# KiCad board Marble_Tiny.kicad_pcb (continued)
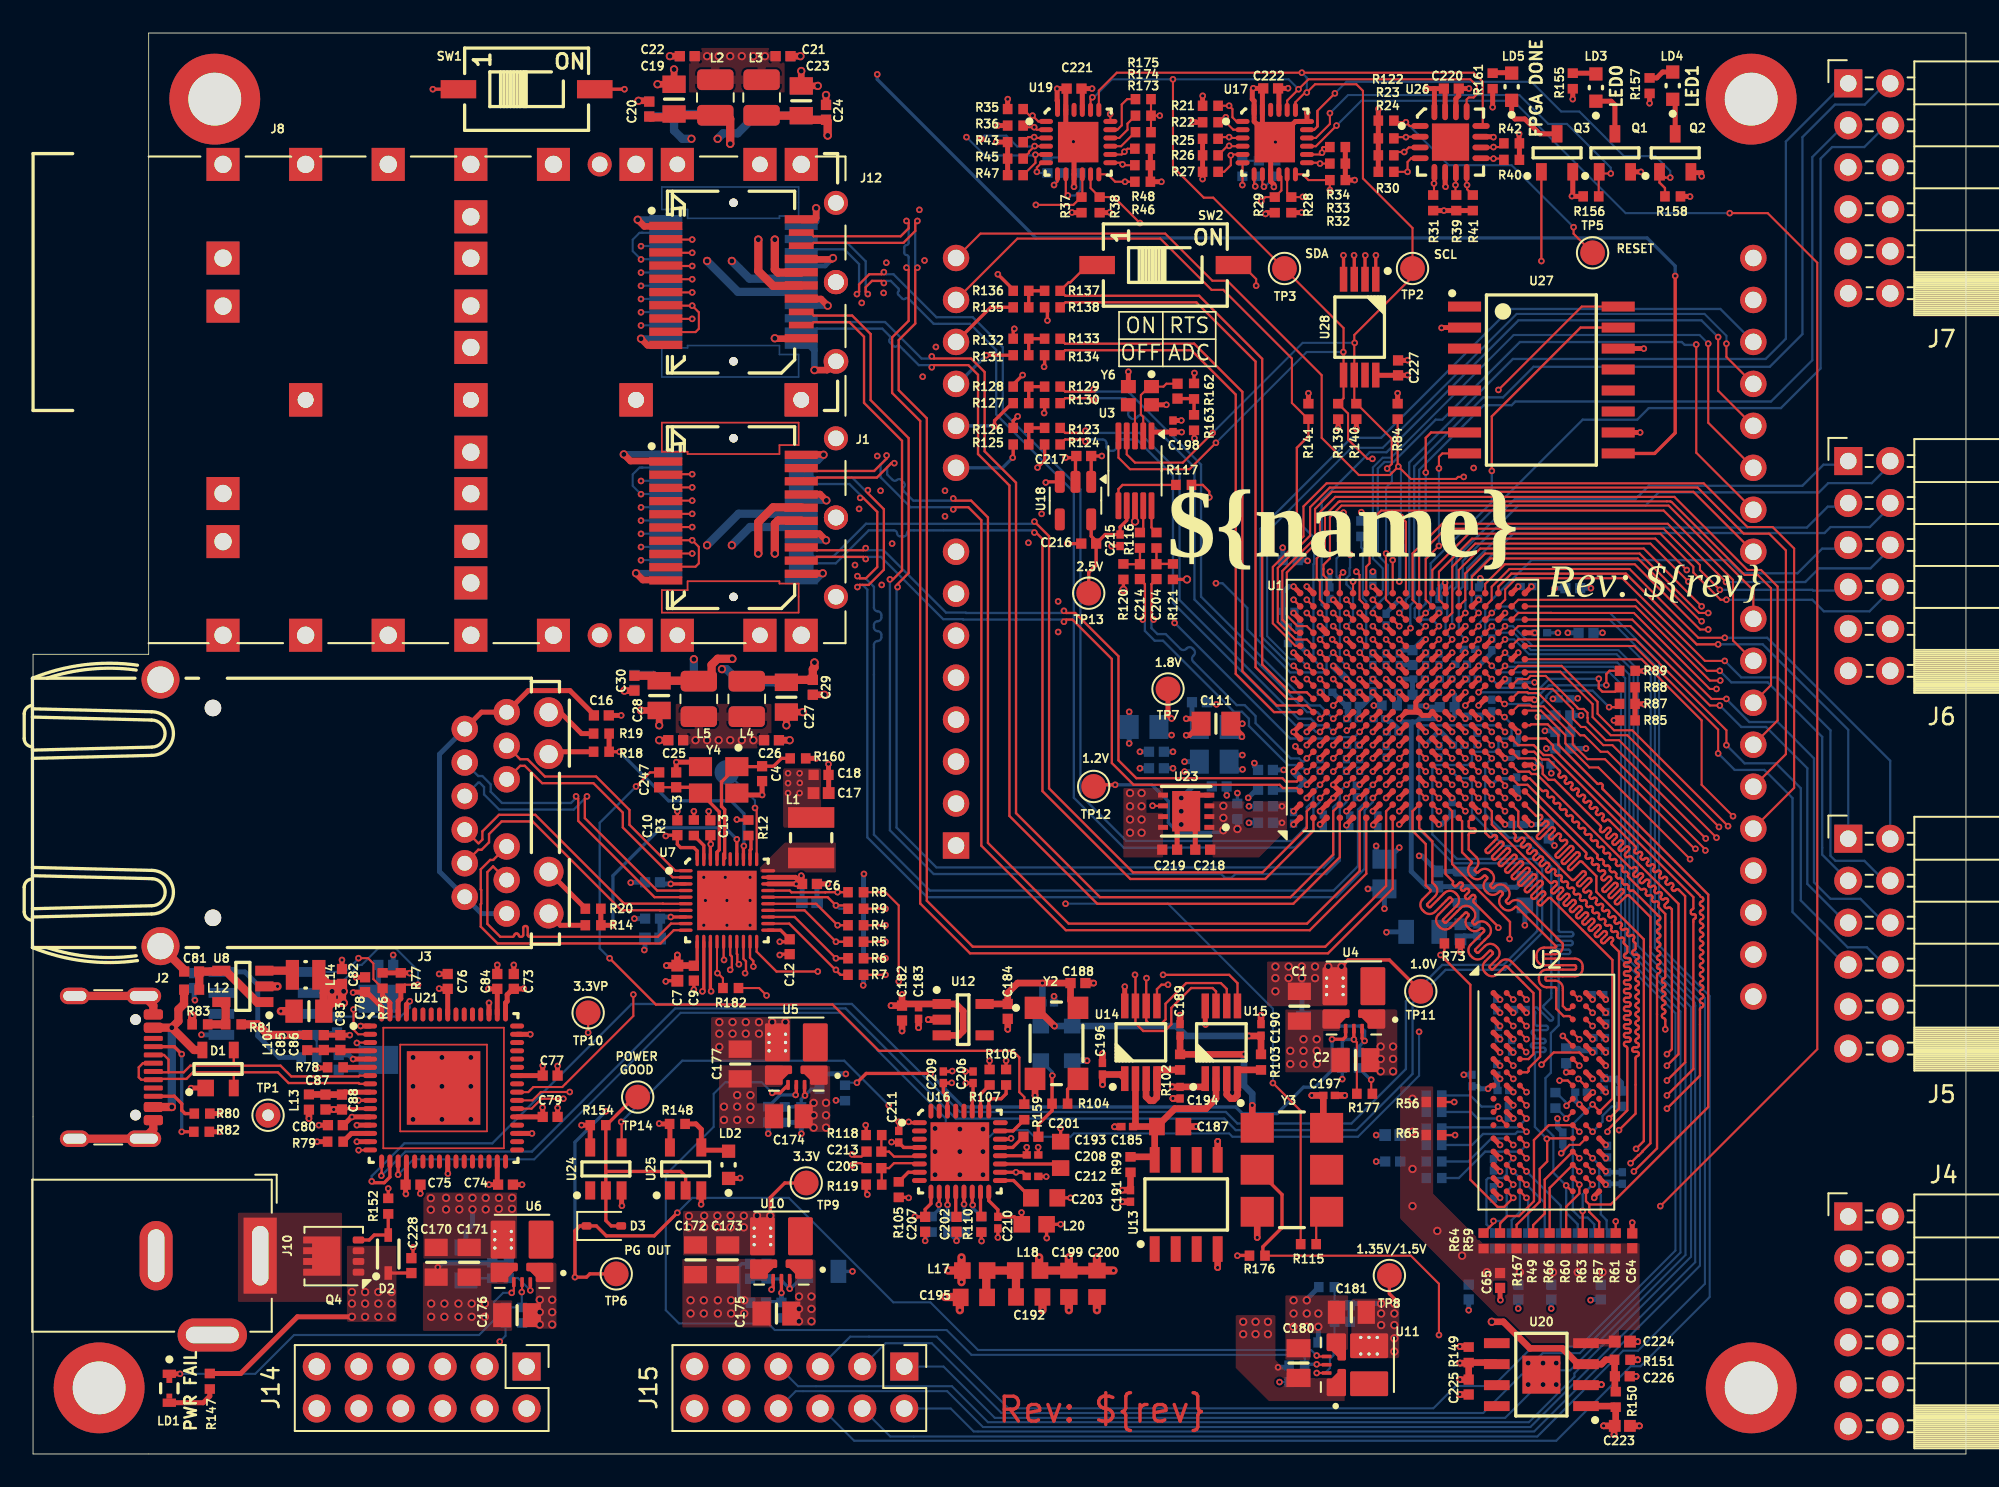
[diagram p0: board, top side]
## Library data of the parts (continued)
C183 C185 C186 C188-C191 C194 C196-C198 C206 C208-C212 C215 = -: Datasheet: \\cern.ch\dfs\Applications\Altium\Datasheets\CC0201_X5R_AVX.pdf; ~: 100nF; Library Ref: Capacitor - non polarized; Library Path: SchLib\Capacitors.SchLib; Comment: =Value; Component Kind: Standard; Component Type: Standard; Pin Count: 2; Footprint Path: PcbLib\Capacitors SMD.PcbLib; Footprint Ref: CAPC0603X33N; Val: 100nF; Status: Not Recommended; Voltage: 6.3V; TC: X5R; Tolerance: ±10%; Part Description: SMD Multilayer Chip Ceramic Capacitor; Manufacturer: GENERIC; Case: 0201; Mounted: Yes; Socket: No; SMD: Yes; Sense: No; Manufacturer1 Example: AVX; Manufacturer1 Part Number: 02016D104KAT2A; Manufacturer1 ComponentHeight: 0.33mm; CreateDate: 12/03/07 00:00:00; LatestRevisionDate: 12/03/07 00:00:00; Library Name: Capacitors SMD; License: This work is licensed under the Creative Commons CC-BY-SA 4.0 License. To the extent that circuit schematics that use Licensed Material can be considered to be ‘Adapted Material’, then the copyright holder waives article 3.b of the license with respect to these schematics.
C187 C192 C195 C199-C201 C203 = -: Datasheet: \\cern.ch\dfs\Applications\Altium\Datasheets\CC0603_X5R_TDK_C.pdf; ~: 22uF; Library Ref: Capacitor - non polarized; Library Path: SchLib\Capacitors.SchLib; Comment: =Value; Component Kind: Standard; Component Type: Standard; Pin Count: 2; Footprint Path: PcbLib\Capacitors SMD.PcbLib; Footprint Ref: CAPC1709X100N; Val: 22uF; Status: None; Voltage: 6.3V; TC: X5R; Tolerance: ±20%; Part Description: SMD Multilayer Chip Ceramic Capacitor; Manufacturer: GENERIC; Case: 0603; Mounted: Yes; Socket: No; SMD: Yes; Sense: No; Manufacturer1 Example: TDK; Manufacturer1 Part Number: C1608X5R0J226M080AC; Manufacturer1 ComponentHeight: 1mm; CreateDate: 12/16/13 00:00:00; LatestRevisionDate: 09/13/16 00:00:00; Library Name: Capacitors SMD; License: This work is licensed under the Creative Commons CC-BY-SA 4.0 License. To the extent that circuit schematics that use Licensed Material can be considered to be ‘Adapted Material’, then the copyright holder waives article 3.b of the license with respect to these schematics.
C193 = -: Val: 2.2nF; Library Ref: Capacitor - non polarized; Library Path: SchLib\Capacitors.SchLib; Comment: 2.2nF; Component Kind: Standard; Component Type: Standard; Pin Count: 2; Footprint Path: PcbLib\Capacitors SMD.PcbLib; Footprint Ref: CAPC1005X55N; Status: Not Recommended; Voltage: 50V; TC: X7R; Tolerance: ±10%; Part Description: SMD Multilayer Chip Ceramic Capacitor; Manufacturer: GENERIC; Case: 0402; Mounted: Yes; Socket: No; SMD: Yes; Sense: No; Manufacturer1 Example: PHYCOMP; Manufacturer1 Part Number: 223858715627; Manufacturer1 ComponentHeight: 0.55mm; CreateDate: 12/03/07 00:00:00; LatestRevisionDate: 12/03/07 00:00:00; Library Name: Capacitors.DbLib; License: This work is licensed under the Creative Commons CC-BY-SA 4.0 License. To the extent that circuit schematics that use Licensed Material can be considered to be ‘Adapted Material’, then the copyright holder waives article 3.b of the license with respect to these schematics.
C202 = -: Datasheet: \\cern.ch\dfs\Applications\Altium\Datasheets\CC0402_MURATA_GRM155R71H104KE14D.pdf; Description: SMD Multilayer Chip Ceramic Capacitor; Val: 100nF; Library Ref: Capacitor - non polarized; Library Path: SchLib\Capacitors.SchLib; Comment: 100nF; Component Kind: Standard; Component Type: Standard; Pin Count: 2; Footprint Path: PcbLib\Capacitors SMD.PcbLib; Footprint Ref: CAPC1005X55N; Status: None; Voltage: 50V; TC: X7R; Tolerance: ±10%; Part Description: SMD Multilayer Chip Ceramic Capacitor; Manufacturer: GENERIC; Case: 0402; Mounted: Yes; Socket: No; SMD: Yes; Sense: No; Manufacturer1 Example: MURATA; Manufacturer1 Part Number: GRM155R71H104KE14D; Manufacturer1 ComponentHeight: 0.55mm; Author: CERN DEM MR; CreateDate: 06/30/17 00:00:00; LatestRevisionDate: 06/30/17 00:00:00; Library Name: Capacitors SMD; License: CC-BY-SA 4.0; HelpURL: \\cern.ch\dfs\Applications\Altium\Datasheets\CC0402_MURATA_GRM155R71H104KE14D.pdf; Database Table Name: Capacitors; Footprint Library: Capacitors SMD
C216 C217 = -: Datasheet: \\cern.ch\dfs\Applications\Altium\Datasheets\CC0402_X5R_TDK_C.pdf; Description: SMD Multilayer Chip Ceramic Capacitor; Val: 1uF; Library Ref: Capacitor - non polarized; Library Path: SchLib\Capacitors.SchLib; Comment: 1uF; Component Kind: Standard; Component Type: Standard; Pin Count: 2; Footprint Path: PcbLib\Capacitors SMD.PcbLib; Footprint Ref: CAPC1005X55N; Status: Preferred; Voltage: 16V; TC: X5R; Tolerance: ±10%; Part Description: SMD Multilayer Chip Ceramic Capacitor; Manufacturer: GENERIC; Case: 0402; Mounted: Yes; Socket: No; SMD: Yes; Sense: No; Manufacturer1 Example: TDK; Manufacturer1 Part Number: C1005X5R1C105KT; Manufacturer1 ComponentHeight: 0.55mm; HelpURL: \\cern.ch\dfs\Applications\Altium\Datasheets\CC0402_X5R_TDK_C.pdf; Author: CERN DEM JLC; CreateDate: 10/25/12 00:00:00; LatestRevisionDate: 10/25/12 00:00:00; Database Table Name: Capacitors; Library Name: Capacitors SMD; Footprint Library: Capacitors SMD; License: CC-BY-SA 4.0
D1 = -: Datasheet: \\cern.ch\dfs\Applications\Altium\Datasheets\PRTR5V0U2X.pdf; Description: Ultra Low Capacitance (1pF) Double Rail-to-Rail ESD Protection Diode (8kV); Library Path: SchLib\Diodes.SchLib; Component Kind: Standard; Component Type: Standard; PackageDescription: SOT143B, SOT, 1.90mm Pitch; 4 Pin, 1.30mm W X 2.90mm L X 1.10mm H body, IPC Medium Density; Voltage: 5.5V; Part Description: Ultra Low Capacitance (1pF) Double Rail-to-Rail ESD Protection Diode (8kV); Manufacturer: NXP SEMICONDUCTORS; Pin Count: 4; Case: SOT143B; Mounted: Yes; Socket: No; SMD: Yes; PressFit: No; Sense: No; Bonding: No; ComponentHeight: 1.1mm; Footprint Path: PcbLib\ICs And Semiconductors SMD.PcbLib; Footprint Ref: SOT190P230X110-4N; HelpURL: \\cern.ch\dfs\Applications\Altium\Datasheets\PRTR5V0U2X.pdf; Author: CERN DEM JLC; CreateDate: 03/22/11 00:00:00; LatestRevisionDate: 03/22/11 00:00:00; Database Table Name: ICs And Semiconductors; Library Name: Diodes; Footprint Library: ICs And Semiconductors SMD; License: CC-BY-SA 4.0
D2 = -: Datasheet: \\cern.ch\dfs\Applications\Altium\Datasheets\MM3Z12VB.pdf; Description: Zener Voltage Regulator; Library Ref: Diode Zener; Library Path: SchLib\Diodes.SchLib; Component Kind: Standard; Component Type: Standard; PackageDescription: SODFL Diode (SOD323F); 1.70mm W X 1.30mm L X 1.00mm H body, IPC Medium Density; Voltage: 12V; Power: 200mW; Part Description: Zener Voltage Regulator; Manufacturer: ON SEMICONDUCTOR; Pin Count: 2; Case: SOD-323F; Mounted: Yes; Socket: No; SMD: Yes; PressFit: No; Sense: No; Bonding: No; ComponentHeight: 1mm; Footprint Path: PcbLib\ICs And Semiconductors SMD.PcbLib; Footprint Ref: SODFL2513X100N; HelpURL: \\cern.ch\dfs\Applications\Altium\Datasheets\MM3Z12VB.pdf; Author: CERN DEM MR; CreateDate: 02/19/18 00:00:00; LatestRevisionDate: 02/19/18 00:00:00; Database Table Name: ICs And Semiconductors; Library Name: Diodes; Footprint Library: ICs And Semiconductors SMD; License: CC-BY-SA 4.0
D3 = -: Datasheet: https://assets.nexperia.com/documents/data-sheet/BAS16_SER.pdf; Description: 100V, 0.25A, High-speed Switching Diode, SOD-323; Sim.Device: D; Sim.Pins: 1=K 2=A; ki_fp_filters: D*SOD?323*
J1 J11-J13 = -: Datasheet: \\cern.ch\dfs\Applications\Altium\Datasheets\TYCO_1888247-1.pdf; Description: 20 Position, Pitch 0.8mm SFP+ Receptacle (Small Form-factor Pluggable); Family: SFP+; Library Ref: SFP+x1; Library Path: SchLib\Connectors.SchLib; Component Kind: Standard; Component Type: Standard; Pin Count: 20; Footprint Path: PcbLib\TYCO SMD.PcbLib; Mounted: Yes; Socket: No; SMD: Yes; PressFit: No; Sense: No; Status: None; Part Description: 20 Position, Pitch 0.8mm SFP+ Receptacle (Small Form-factor Pluggable); Manufacturer: TYCO ELECTRONICS; Manufacturer Part Number: 1888247-1; ComponentHeight: 5.4mm; HelpURL: \\cern.ch\dfs\Applications\Altium\Datasheets\TYCO_1888247-1.pdf; Author: CERN DEM JLC; CreateDate: 02/27/12 00:00:00; LatestRevisionDate: 02/27/12 00:00:00; Database Table Name: Connectors; Library Name: TYCO; Footprint Library: TYCO SMD; License: CC-BY-SA 4.0
J2 = -: Datasheet: https://www.usb.org/sites/default/files/documents/usb_type-c.zip; Description: USB 2.0-only 16P Type-C Receptacle connector; ki_fp_filters: USB*C*Receptacle*
J3 = -: Datasheet: \\cern.ch\dfs\Applications\Altium\Datasheets\BEL_0826-1G1T-43-F.pdf; Description: 1 Port, Green/Green LEDs, RJ45 10/100/1000 Gigabit Ethernet, MagJack® Connector Module; Library Ref: BEL_0826-1G1T-43-F; Library Path: SchLib\Connectors.SchLib; Comment: RJ45; Component Kind: Standard; Component Type: Standard; Pin Count: 18; Footprint Path: PcbLib\Miscellaneous THD.PcbLib; Footprint Ref: BEL_0826-1G1T-43-F; Family: RJ45; Mounted: Yes; Socket: No; PressFit: No; SMD: No; Sense: No; Status: None; Part Description: 1 Port, Green/Green LEDs, RJ45 10/100/1000 Gigabit Ethernet, MagJack® Connector Module; Manufacturer: BEL MAGNETIC SOLUTIONS; Manufacturer Part Number: 0826-1G1T-43-F; ComponentHeight: 13.61mm; HelpURL: \\cern.ch\dfs\Applications\Altium\Datasheets\BEL_0826-1G1T-43-F.pdf; Author: CERN DEM JLC; CreateDate: 12/02/10 00:00:00; LatestRevisionDate: 09/20/18 00:00:00; Database Table Name: Connectors; Library Name: Miscellaneous; Footprint Library: Miscellaneous THD; License: CC-BY-SA 4.0
J4-J7 J14 J15 = -: Description: Generic connector, double row, 02x06, top/bottom pin numbering scheme (row 1: 1...pins_per_row, row2: pins_per_row+1 ... num_pins), script generated (kicad-library-utils/schlib/autogen/connector/); ki_fp_filters: Connector*:*_2x??_*
J8 J9 = -: Description: Connector Accessories 2 Port SFP+ Cage Press Fit Right Angle Through Hole Nickel Silver Alloy Tray; SNAPEDA_LINK: https://www.snapeda.com/parts/2180739-1/TE+Connectivity/view-part/?ref=snap; PACKAGE: None; ALTIUM_VALUE: *; MF: TE Connectivity; EU_ROHS_COMPLIANCE: Compliant; CHECK_PRICES: https://www.snapeda.com/parts/2180739-1/TE+Connectivity/view-part/?ref=eda; ki_fp_filters: *TE_2180739-1*
J10 = -: Description: DC Barrel Jack with an internal switch; ki_fp_filters: BarrelJack*
L1 = -: Datasheet: \\cern.ch\dfs\Applications\Altium\Datasheets\IND_BOURNS_SRP3212.pdf; Description: Shielded SMD Power Inductor; Val: 2.2uH; Library Ref: Inductor; Library Path: SchLib\Inductors & Transformers.SchLib; Comment: 2.2uH; Component Kind: Standard; Component Type: Standard; Pin Count: 2; Footprint Path: PcbLib\Inductors SMD.PcbLib; Footprint Ref: IND_BOURNS_SRP3212; Power: 4A; Resistance: 0.061R; Tolerance: ±20%; Part Description: Shielded SMD Power Inductor; Manufacturer: BOURNS; Manufacturer Part Number: SRP3212-2R2M; Mounted: Yes; Socket: No; SMD: Yes; Sense: No; ComponentHeight: 1.2mm; HelpURL: \\cern.ch\dfs\Applications\Altium\Datasheets\IND_BOURNS_SRP3212.pdf; Author: CERN DEM HF; CreateDate: 06/23/22 00:00:00; LatestRevisionDate: 06/23/22 00:00:00; Database Table Name: Inductors & Transformers; Library Name: Inductors SMD; Footprint Library: Inductors SMD; License: CC-BY-SA 4.0
L2-L9 = -: Description: LQM2HPN4R7MG0L; ki_fp_filters: Choke_* *Coil* Inductor_* L_*
L10 L12 L13 = -: Datasheet: \\cern.ch\dfs\Applications\Altium\Datasheets\IND0402_MURATA_BLM15PX.pdf; Description: SMD EMIFIL Chip Ferrite Bead; Val: 120R@100MHz; Library Ref: Ferrite Bead; Library Path: SchLib\Inductors & Transformers.SchLib; Comment: 120R@100MHz; Component Kind: Standard; Component Type: Standard; Pin Count: 2; Footprint Path: PcbLib\Inductors SMD.PcbLib; Footprint Ref: INDC1005X55N; Power: 2A; Resistance: 0.055R; Tolerance: ±25%; Part Description: SMD EMIFIL Chip Ferrite Bead; Manufacturer: MURATA; Manufacturer Part Number: BLM15PX121SN1D; Case: 0402; Mounted: Yes; Socket: No; SMD: Yes; Sense: No; ComponentHeight: 0.55mm; HelpURL: \\cern.ch\dfs\Applications\Altium\Datasheets\IND0402_MURATA_BLM15PX.pdf; Author: CERN DEM JMW; CreateDate: 02/19/14 00:00:00; LatestRevisionDate: 10/25/18 00:00:00; Database Table Name: Inductors & Transformers; Library Name: Inductors SMD; Footprint Library: Inductors SMD; License: CC-BY-SA 4.0
L11 = -: Datasheet: \\cern.ch\dfs\Applications\Altium\Datasheets\IND0603_MURATA_BLM18A.pdf; Description: SMD EMIFIL Suppression Chip Ferrite Bead; Val: 600R@100MHz; Library Ref: Ferrite Bead; Library Path: SchLib\Inductors & Transformers.SchLib; Comment: 600R@100MHz; Component Kind: Standard; Component Type: Standard; Pin Count: 2; Footprint Path: PcbLib\Inductors SMD.PcbLib; Footprint Ref: INDC1608X95N; Power: 500mA; Resistance: 0.38R; Tolerance: ±25%; Part Description: SMD EMIFIL Suppression Chip Ferrite Bead; Manufacturer: MURATA; Manufacturer Part Number: BLM18AG601SN1; Case: 0603; Mounted: Yes; Socket: No; SMD: Yes; Sense: No; ComponentHeight: 0.95mm; HelpURL: \\cern.ch\dfs\Applications\Altium\Datasheets\IND0603_MURATA_BLM18A.pdf; Author: CERN DEM MR; CreateDate: 04/01/16 00:00:00; LatestRevisionDate: 10/25/18 00:00:00; Database Table Name: Inductors & Transformers; Library Name: Inductors SMD; Footprint Library: Inductors SMD; License: CC-BY-SA 4.0
L14 = -: Datasheet: \\cern.ch\dfs\Applications\Altium\Datasheets\IND_WURTH_WE-PMCI_74479276222C.pdf; Description: SMD Power Molded Chip  Inductor (WE-PMCI Series); Val: 2.2uH; Library Ref: Inductor; Library Path: SchLib\Inductors & Transformers.SchLib; Comment: 2.2uH; Component Kind: Standard; Component Type: Standard; Pin Count: 2; Footprint Path: PcbLib\Inductors SMD.PcbLib; Footprint Ref: IND_WURTH_WE-PMCI_0806LR; Power: 1.1A; Resistance: 0.112R; Tolerance: ±20%; Part Description: SMD Power Molded Chip  Inductor (WE-PMCI Series); Manufacturer: WURTH ELEKTRONIK; Manufacturer Part Number: 74479276222C; Case: 0806; Mounted: Yes; Socket: No; SMD: Yes; Sense: No; ComponentHeight: 1mm; HelpURL: \\cern.ch\dfs\Applications\Altium\Datasheets\IND_WURTH_WE-PMCI_74479276222C.pdf; Author: CERN DEM JLC; CreateDate: 10/20/16 00:00:00; LatestRevisionDate: 10/20/16 00:00:00; Database Table Name: Inductors & Transformers; Library Name: Inductors SMD; Footprint Library: Inductors SMD; License: CC-BY-SA 4.0
L15 = -: Datasheet: \\cern.ch\dfs\Applications\Altium\Datasheets\IND0805_TDK_MLZ2012.pdf; Description: SMD Multilayer Ferrite (MLZ Series); Val: 15uH; Library Ref: Inductor; Library Path: SchLib\Inductors & Transformers.SchLib; Comment: 15uH; Component Kind: Standard; Component Type: Standard; Pin Count: 2; Footprint Path: PcbLib\Inductors SMD.PcbLib; Footprint Ref: INDC2013X145N; Power: 100mA; Resistance: 0.95R; Tolerance: ±20%; Part Description: SMD Multilayer Ferrite (MLZ Series); Manufacturer: TDK; Manufacturer Part Number: MLZ2012M150WT000; Case: 0805; Mounted: Yes; Socket: No; SMD: Yes; Sense: No; ComponentHeight: 1.45mm; HelpURL: \\cern.ch\dfs\Applications\Altium\Datasheets\IND0805_TDK_MLZ2012.pdf; Author: CERN DEM HF; CreateDate: 04/18/24 00:00:00; LatestRevisionDate: 04/18/24 00:00:00; Database Table Name: Inductors & Transformers; Library Name: Inductors SMD; Footprint Library: Inductors SMD; License: CC-BY-SA 4.0
L16 = -: Datasheet: \\cern.ch\dfs\Applications\Altium\Datasheets\IND0402_MURATA_BLM15H.pdf; Description: SMD EMIFIL Suppression Chip Ferrite Bead; Val: 220R@100MHz; Library Ref: Ferrite Bead; Library Path: SchLib\Inductors & Transformers.SchLib; Comment: 220R@100MHz; Component Kind: Standard; Component Type: Standard; Pin Count: 2; Footprint Path: PcbLib\Inductors SMD.PcbLib; Footprint Ref: INDC1005X55N; Power: 250mA; Resistance: 1R; Tolerance: ±25%; Part Description: SMD EMIFIL Suppression Chip Ferrite Bead; Manufacturer: MURATA; Manufacturer Part Number: BLM15HB221SN1; Case: 0402; Mounted: Yes; Socket: No; SMD: Yes; Sense: No; ComponentHeight: 0.55mm; HelpURL: \\cern.ch\dfs\Applications\Altium\Datasheets\IND0402_MURATA_BLM15H.pdf; Author: CERN DEM JLC; CreateDate: 06/23/09 00:00:00; LatestRevisionDate: 10/25/18 00:00:00; Database Table Name: Inductors & Transformers; Library Name: Inductors SMD; Footprint Library: Inductors SMD; License: CC-BY-SA 4.0
L17 L18 L20 = -: Datasheet: \\cern.ch\dfs\Applications\Altium\Datasheets\IND0603_MURATA_BLM18S.pdf; ~: 120R@100MHz; Library Ref: Inductor; Library Path: SchLib\Inductors & Transformers.SchLib; Comment: =Value; Component Kind: Standard; Component Type: Standard; Pin Count: 2; Footprint Path: PcbLib\Inductors SMD.PcbLib; Footprint Ref: INDC1608X65N; Val: 120R@100MHz; Status: None; Power: 3A; Resistance: 0.025R; Tolerance: ±25%; Part Description: SMD EMIFIL Suppression Chip Ferrite Bead; Manufacturer: MURATA; Manufacturer Part Number: BLM18SG121TN1D; Case: 0603; Mounted: Yes; Socket: No; SMD: Yes; Sense: No; ComponentHeight: 0.65mm; CreateDate: 07/23/14 00:00:00; LatestRevisionDate: 07/23/14 00:00:00; Library Name: Inductors SMD; License: This work is licensed under the Creative Commons CC-BY-SA 4.0 License. To the extent that circuit schematics that use Licensed Material can be considered to be ‘Adapted Material’, then the copyright holder waives article 3.b of the license with respect to these schematics.
LD1 = -: Datasheet: \\cern.ch\dfs\Applications\Altium\Datasheets\LED_OSRAM_LS Q976-NR-1.pdf; Description: CHIPLED Super Red LED (0603 Case); Color: Red; Library Ref: LED Red 1C 2A; Library Path: SchLib\LEDs & Displays.SchLib; Component Kind: Standard; Component Type: Standard; PackageDescription: Chip Super Red LED, 2-Leads, Body 1.6x0.8mm; Part Description: CHIPLED Super Red LED (0603 Case); Manufacturer: OSRAM; Manufacturer Part Number: LS Q976-NR-1; Pin Count: 2; Case: 0603; Mounted: Yes; Socket: No; SMD: Yes; PressFit: No; Sense: No; Bonding: No; ComponentHeight: 0.8mm; Footprint Path: PcbLib\ICs And Semiconductors SMD.PcbLib; Footprint Ref: LED_OSRAM_LS Q976; HelpURL: \\cern.ch\dfs\Applications\Altium\Datasheets\LED_OSRAM_LS Q976-NR-1.pdf; Author: CERN DEM JLC; CreateDate: 11/12/14 00:00:00; LatestRevisionDate: 11/12/14 00:00:00; Database Table Name: ICs And Semiconductors; Library Name: LEDs & Displays; Footprint Library: ICs And Semiconductors SMD; License: CC-BY-SA 4.0
LD2-LD5 = -: Datasheet: \\cern.ch\dfs\Applications\Altium\Datasheets\LED_KINGBRIGHT_KPH-1608CGCK.pdf; Description: SMD Green LED, Case 1.6mmX0.8mm(0603), 0.65mm Thickness; Color: Green; Library Ref: LED Green 1C 2A; Library Path: SchLib\LEDs & Displays.SchLib; Component Kind: Standard; Component Type: Standard; PackageDescription: SMT Green LED, Case 0603, Body L 1.6 x W 0.8mm H 0.65mm; Part Description: SMD Green LED, Case 1.6mmX0.8mm(0603), 0.65mm Thickness; Manufacturer: KINGBRIGHT; Manufacturer Part Number: KPH-1608CGCK; Pin Count: 2; Case: 0603; Mounted: Yes; Socket: No; SMD: Yes; PressFit: No; Sense: No; Bonding: No; ComponentHeight: 0.65mm; Footprint Path: PcbLib\ICs And Semiconductors SMD.PcbLib; HelpURL: \\cern.ch\dfs\Applications\Altium\Datasheets\LED_KINGBRIGHT_KPH-1608CGCK.pdf; Author: CERN DEM JLC; CreateDate: 07/03/17 00:00:00; LatestRevisionDate: 07/03/17 00:00:00; Database Table Name: ICs And Semiconductors; Library Name: LEDs & Displays; Footprint Library: ICs And Semiconductors SMD; License: CC-BY-SA 4.0
Q1-Q3 = -: Datasheet: \\cern.ch\dfs\Applications\Altium\Datasheets\BSS138LT1G.pdf; Description: 50V, 200mA N-Channel Enhancement Mode Field-Effect Transistor; Library Ref: N-MOSFET-D 1G 2S 3D; Library Path: SchLib\Transistors.SchLib; Component Kind: Standard; Component Type: Standard; PackageDescription: SOT23, 0.95mm Pitch; 3 Pin, 1.40mm W X 3.00mm L X 1.10mm H body, IPC Medium Density; Part Description: 50V, 200mA N-Channel Enhancement Mode Field-Effect Transistor; Manufacturer: ON SEMICONDUCTOR; Manufacturer Part Number: BSS138L; Pin Count: 3; Case: SOT23-3; Mounted: Yes; Socket: No; PressFit: No; SMD: Yes; Sense: No; Bonding: No; ComponentHeight: 1.11mm; Footprint Path: PcbLib\ICs And Semiconductors SMD.PcbLib; Footprint Ref: SOT95P240X110-3N; HelpURL: \\cern.ch\dfs\Applications\Altium\Datasheets\BSS138LT1G.pdf; Author: CERN DEM JLC; CreateDate: 03/23/09 00:00:00; LatestRevisionDate: 05/25/22 00:00:00; Database Table Name: ICs And Semiconductors; Library Name: Transistors; Footprint Library: ICs And Semiconductors SMD; License: CC-BY-SA 4.0
Q4 = -: Datasheet: https://www.diodes.com/assets/Datasheets/DMP3013SFV.pdf; Description: -12A Id, -30V Vds, P-Channel Power MOSFET, 9.5mOhm Ron, 33.7nC Qg (typ), PowerDI3333-8; ki_fp_filters: Diodes*PowerDI3333*
R1 = -: Datasheet: \\cern.ch\dfs\Applications\Altium\Datasheets\R0603_Tyco_RN73.pdf; Description: Thin Film Chip Resistor; Tolerance: ±0.1%; Val: 6k65; Library Ref: Resistor - 0.1%; Library Path: SchLib\Resistors.SchLib; Comment: 6k65; Component Kind: Standard; Component Type: Standard; Pin Count: 2; Footprint Path: PcbLib\Resistors SMD.PcbLib; Footprint Ref: RESC1608X55N; Status: Not Recommended; Power: 0.063W; TC: ±10ppm; Part Description: Thin Film Chip Resistor; Manufacturer: GENERIC; Case: 0603; PressFit: No; Mounted: Yes; Sense: No; Socket: No; SMD: Yes; Manufacturer1 Example: TYCO HOLSWORTHY; Manufacturer1 Part Number: RN73C1J6K65BTDF; Manufacturer1 ComponentHeight: 0.5mm; HelpURL: \\cern.ch\dfs\Applications\Altium\Datasheets\R0603_Tyco_RN73.pdf; Author: CERN DEM JLC; CreateDate: 12/03/07 00:00:00; LatestRevisionDate: 03/13/08 00:00:00; Database Table Name: Resistors; Library Name: Resistors SMD; Footprint Library: Resistors SMD; License: CC-BY-SA 4.0
R2 R75-R77 R81 R98 R148 R155-R158 R161 R163 R176 = -: Datasheet: \\cern.ch\dfs\Applications\Altium\Datasheets\R0402_Phycomp_RC0402.pdf; Description: General Purpose Thick Film Chip Resistor; Tolerance: ±1%; Val: 10k; Library Ref: Resistor - 1%; Library Path: SchLib\Resistors.SchLib; Comment: 10k; Component Kind: Standard; Component Type: Standard; Pin Count: 2; Footprint Path: PcbLib\Resistors SMD.PcbLib; Footprint Ref: RESC1005X40N; Status: Not Recommended; Power: 0.0625W; TC: ±100ppm/°C; Part Description: General Purpose Thick Film Chip Resistor; Manufacturer: GENERIC; Case: 0402; PressFit: No; Mounted: Yes; Sense: No; Socket: No; SMD: Yes; Manufacturer1 Example: YAGEO PHYCOMP; Manufacturer1 Part Number: 232270671003L; Manufacturer1 ComponentHeight: 0.4mm; HelpURL: \\cern.ch\dfs\Applications\Altium\Datasheets\R0402_Phycomp_RC0402.pdf; Author: CERN DEM JLC; CreateDate: 12/03/07 00:00:00; LatestRevisionDate: 10/17/12 00:00:00; Database Table Name: Resistors; Library Name: Resistors SMD; Footprint Library: Resistors SMD; License: CC-BY-SA 4.0
R3 = -: Datasheet: \\cern.ch\dfs\Applications\Altium\Datasheets\R0402_VISHAY_CRCW e3.pdf; Description: General Purpose Thick Film Chip Resistor; Tolerance: ±1%; Val: 2K49; Library Ref: Resistor - 1%; Library Path: SchLib\Resistors.SchLib; Comment: 2K49; Component Kind: Standard; Component Type: Standard; Pin Count: 2; Footprint Path: PcbLib\Resistors SMD.PcbLib; Footprint Ref: RESC1005X40N; Status: None; Power: 0.063W; TC: ±100ppm/°C; Part Description: General Purpose Thick Film Chip Resistor; Manufacturer: GENERIC; Case: 0402; PressFit: No; Mounted: Yes; Sense: No; Socket: No; SMD: Yes; Manufacturer1 Example: VISHAY; Manufacturer1 Part Number: CRCW04022K49FK; Manufacturer1 ComponentHeight: 0.4mm; HelpURL: \\cern.ch\dfs\Applications\Altium\Datasheets\R0402_VISHAY_CRCW e3.pdf; Author: CERN DEM BC; CreateDate: 01/10/20 00:00:00; LatestRevisionDate: 01/10/20 00:00:00; Database Table Name: Resistors; Library Name: Resistors SMD; Footprint Library: Resistors SMD; License: CC-BY-SA 4.0
R4-R9 = -: Datasheet: \\cern.ch\dfs\Applications\Altium\Datasheets\R0402_Phycomp_RC0402.pdf; Description: General Purpose Thick Film Chip Resistor; Tolerance: ±1%; Val: 22; Library Ref: Resistor - 1%; Library Path: SchLib\Resistors.SchLib; Comment: 22; Component Kind: Standard; Component Type: Standard; Pin Count: 2; Footprint Path: PcbLib\Resistors SMD.PcbLib; Footprint Ref: RESC1005X40N; Status: Not Recommended; Power: 0.0625W; TC: ±100ppm/°C; Part Description: General Purpose Thick Film Chip Resistor; Manufacturer: GENERIC; Case: 0402; PressFit: No; Mounted: Yes; Sense: No; Socket: No; SMD: Yes; Manufacturer1 Example: YAGEO PHYCOMP; Manufacturer1 Part Number: 232270672209L; Manufacturer1 ComponentHeight: 0.4mm; HelpURL: \\cern.ch\dfs\Applications\Altium\Datasheets\R0402_Phycomp_RC0402.pdf; Author: CERN DEM JLC; CreateDate: 12/03/07 00:00:00; LatestRevisionDate: 10/17/12 00:00:00; Database Table Name: Resistors; Library Name: Resistors SMD; Footprint Library: Resistors SMD; License: CC-BY-SA 4.0
R10-R18 R21-R48 R73 R79 R85-R87 R122 R139-R141 R182 = -: Datasheet: \\cern.ch\dfs\Applications\Altium\Datasheets\R0402_Phycomp_RC0402.pdf; Description: General Purpose Thick Film Chip Resistor; Tolerance: ±1%; Val: 4k7; Library Ref: Resistor - 1%; Library Path: SchLib\Resistors.SchLib; Comment: 4k7; Component Kind: Standard; Component Type: Standard; Pin Count: 2; Footprint Path: PcbLib\Resistors SMD.PcbLib; Footprint Ref: RESC1005X40N; Status: Not Recommended; Power: 0.0625W; TC: ±100ppm/°C; Part Description: General Purpose Thick Film Chip Resistor; Manufacturer: GENERIC; Case: 0402; PressFit: No; Mounted: Yes; Sense: No; Socket: No; SMD: Yes; Manufacturer1 Example: YAGEO PHYCOMP; Manufacturer1 Part Number: 232270674702L; Manufacturer1 ComponentHeight: 0.4mm; HelpURL: \\cern.ch\dfs\Applications\Altium\Datasheets\R0402_Phycomp_RC0402.pdf; Author: CERN DEM JLC; CreateDate: 12/03/07 00:00:00; LatestRevisionDate: 10/17/12 00:00:00; Database Table Name: Resistors; Library Name: Resistors SMD; Footprint Library: Resistors SMD; License: CC-BY-SA 4.0